# Allegro board BeagleBone_Green_Wireless_V1.0.brd (continued)
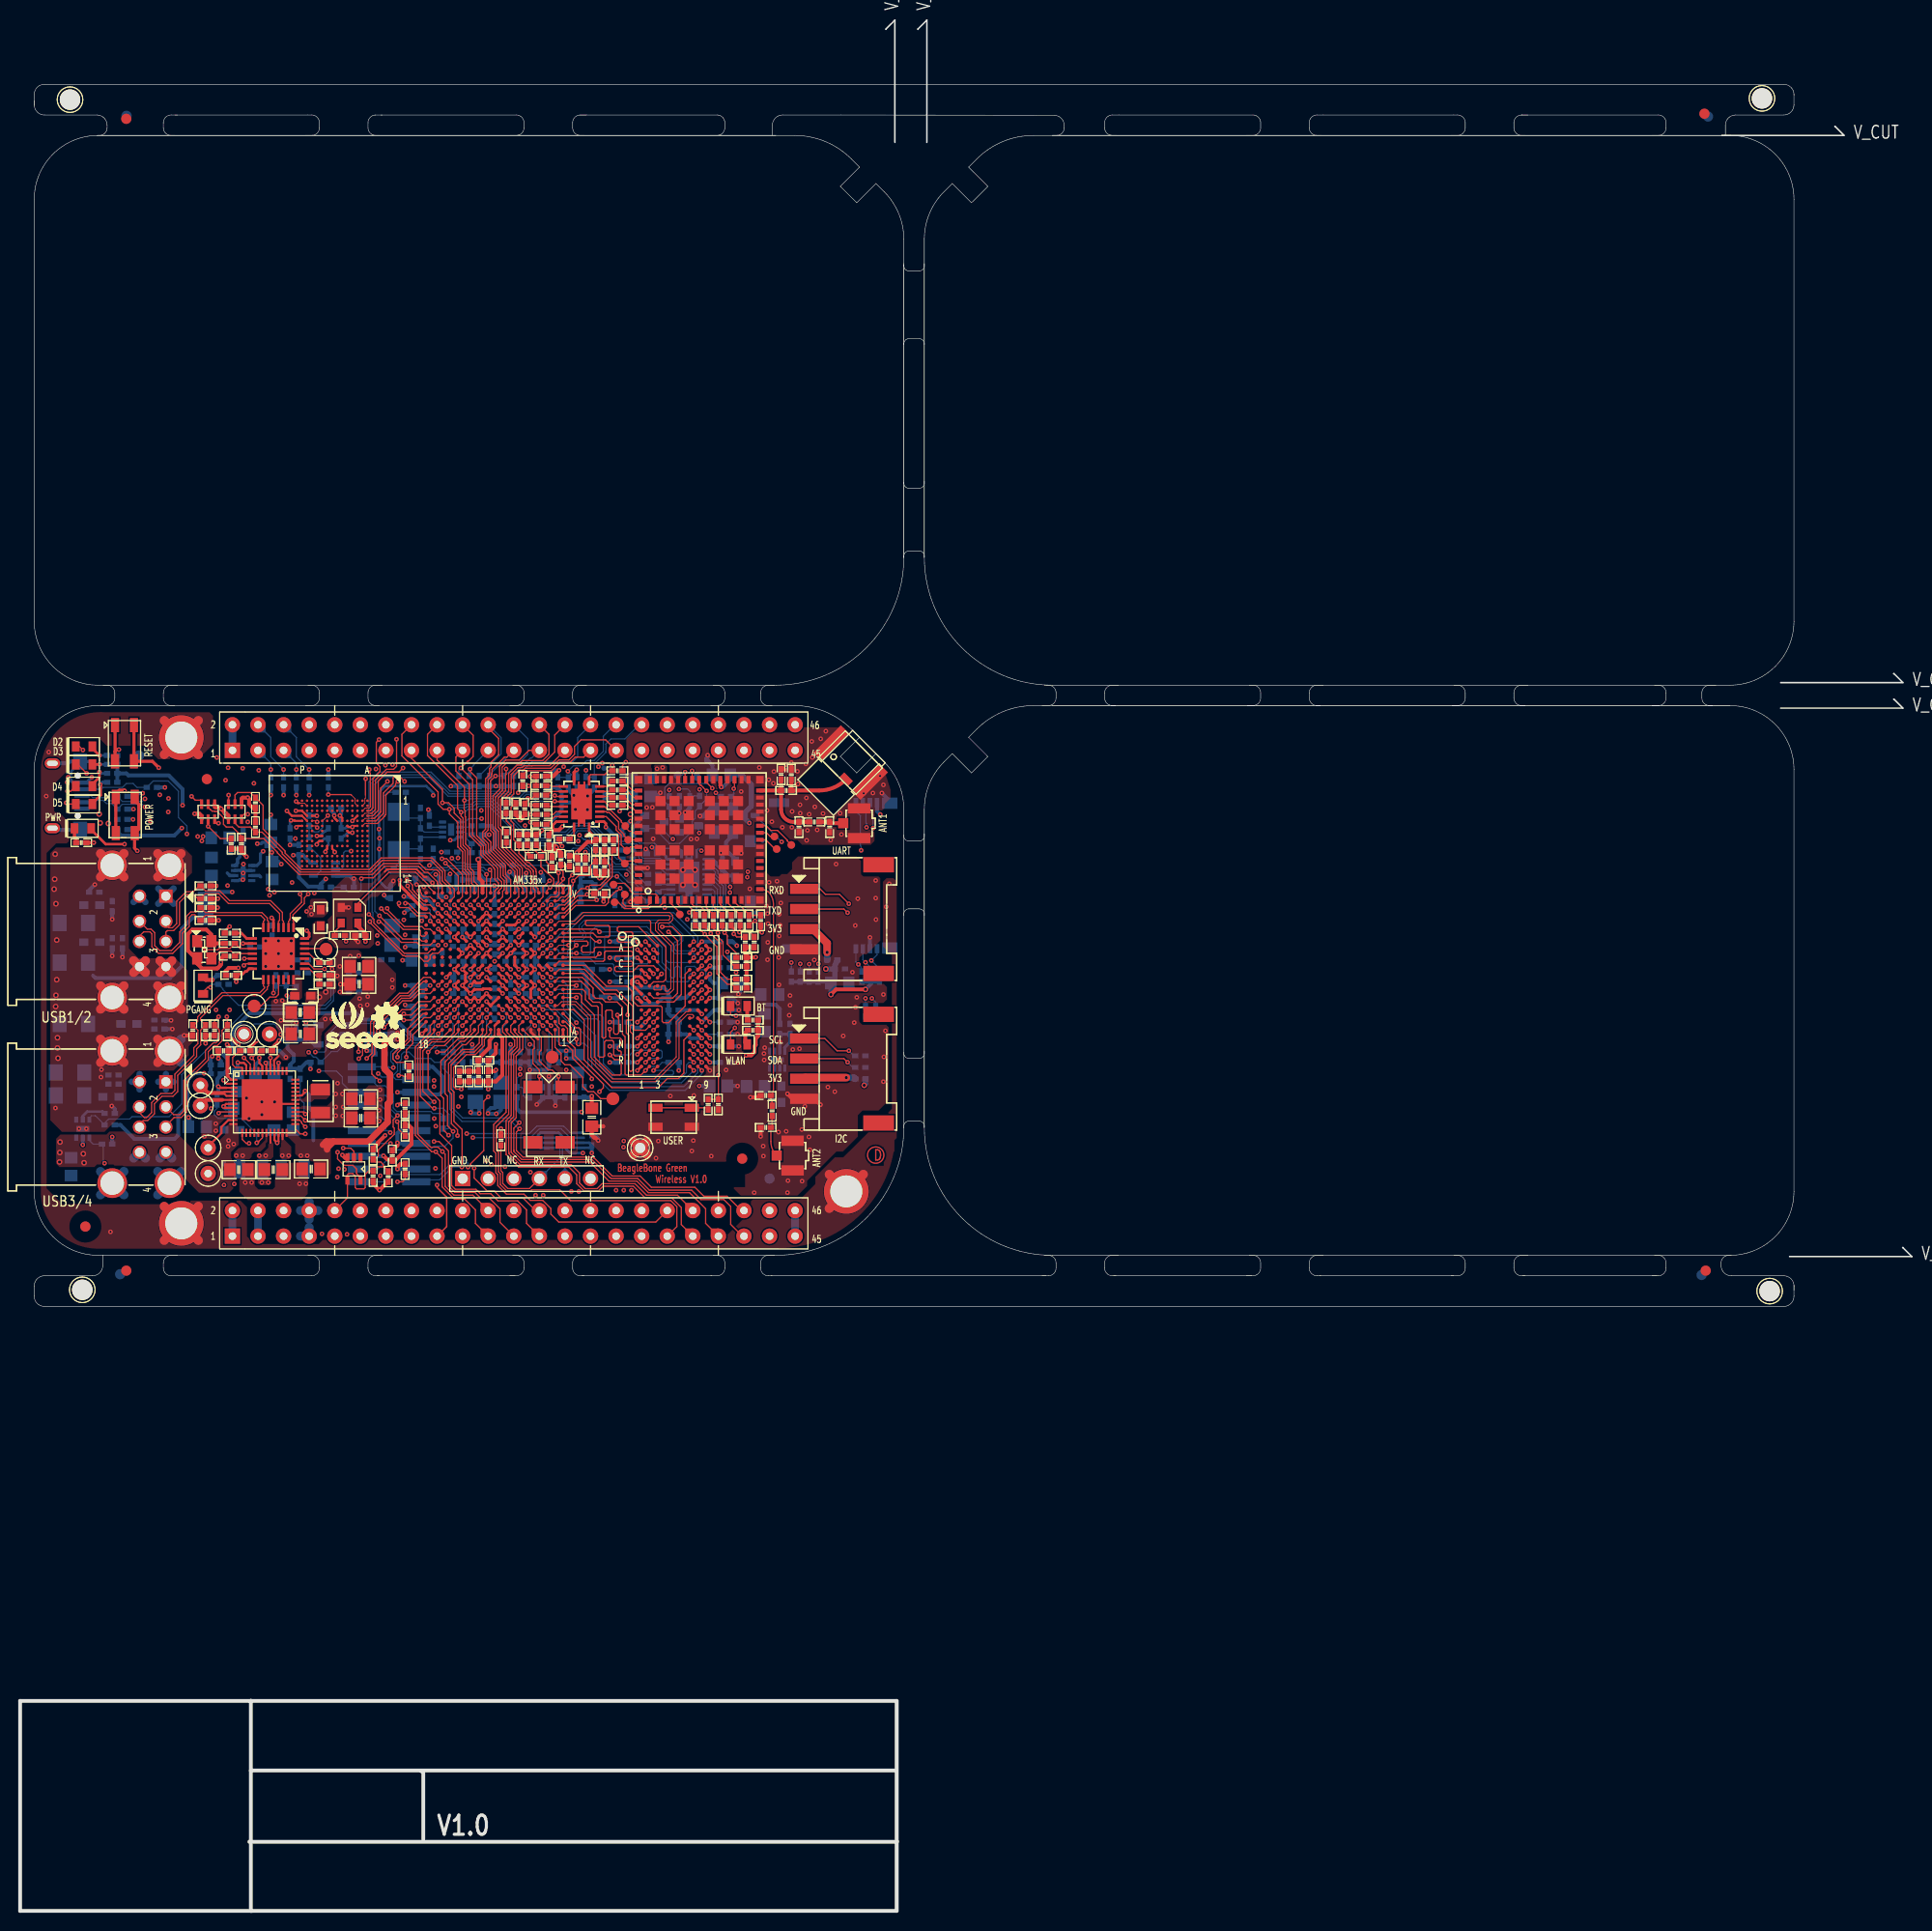
[diagram p0: board, top side]
## Routing (per net, layer and track width the routed paths; a pad name or vN(x,y) marks a point on that pad's centre or on a via; arc(x,y) is an arc through that point) (continued)
B_UART0_TX: length 5.2
  BOTTOM w0.121: U15.3 53.35,76.8 53.85,76.3 53.85,74.02 54.1,73.76 J1.5
BT_AUD_CLK: length 8
  TOP w0.121: U21.1 56.5,107.33 56.89,106.94 59.27,106.94 59.44,106.78 59.44,104.65 TP13.1 60.31,104.3 U18.60
BT_AUD_FSYNC: length 6.2
  TOP w0.121: U21.3 58.2,108.71 59.18,107.72 59.18,107.38 59.68,106.88 59.68,105.9 TP12.1 60.62,105.7 U18.58
BT_AUD_IN: length 5.1
  TOP w0.121: U18.56 60.89,107.1 60.74,107.25 60.49,107.25 60.1,107.65 TP10.1 59.69,108.17 59.69,108.3 58.64,109.35 58.39,109.35 58.04,109.71 U21.5
BT_AUD_OUT: length 5.5
  TOP w0.121: U18.57 TP11.1 59.97,106.8 59.97,106.94 59.44,107.48 59.44,108.18 58.51,109.11 58.29,109.11 58.19,109.21 U21.4
BT_EN: length 11.9
  TOP w0.121: U18.41 67.44,111.94 67.56,111.82 67.63,111.82 67.86,111.58 67.86,111.56 v1(68.17,111.25)
  BOTTOM w0.121: Q3.1 62.98,107.53 64.46,106.05 65.5,106.05 66.73,107.28 66.73,108.23 67.02,108.51 67.02,109.25 67.46,109.69 R188.1 67.46,109.78 67.78,110.1 67.79,110.1 68.17,110.48 v1(68.17,111.25)
BT_HCI_CTS: length 1.3
  TOP w0.121: U21.8 58.65,111.21 R184.1
BT_HCI_RTS: length 1.5
  TOP w0.121: R183.1 58.27,111.71 U21.9
BT_HCI_RX: length 1.4
  TOP w0.121: U21.6 58.04,110.21 58.42,109.83 R186.1
BT_HCI_TX: length 1.3
  TOP w0.121: R185.1 58.69,110.71 U21.7
CAP_VBB_MPU: length 4.2
  TOP w0.121: U5.C10 46.33,88.75 v1(46.32,88.73)
  BOTTOM w0.121: v1(46.32,88.73) 46.32,88.02 46.8,87.54 C91.1
CAP_VDD_SRAM_CORE: length 5.2
  TOP w0.121: U5.D9 v1(47.92,89.54)
  BOTTOM w0.121: C89.1 47.75,87.6 48.32,88.17 48.32,89.13 v1(47.92,89.54)
CAP_VDD_SRAM_MPU: length 5
  TOP w0.121: v1(45.52,89.54) U5.D11
  BOTTOM w0.121: C90.1 45.92,85.39 45.92,89.13 v1(45.52,89.54)
CLKOUT2: length 112.1
  TOP w0.121: v1(49.58,78.31) 49.02,77.75 49.02,75.54 49.03,75.53 49.03,75.44 49.83,74.64 56.78,74.64 58.55,72.87 58.58,72.87 58.7,72.75 61.33,72.75 62.48,71.6 66.68,71.6 67.61,70.66 69.88,70.66 70.56,69.98 70.56,68.2 71.73,67.03 P9.41
  LYR4 w0.127: v1(50.14,107.82) 49.76,107.82 49.58,107.65 42.98,107.65 38.35,103.02 38.35,103.02
  LYR4 w0.133: v1(35.56,83.18) 35.61,83.23 35.61,83.37 35.55,83.44 35.55,86.65 34.99,87.2 34.99,88.28 35.75,89.04 35.75,93.48 37.2,94.93 37.2,99.61 36.83,99.98 36.83,101.73 36.65,101.9 36.65,102.48 37.19,103.02 38.35,103.02
  BOTTOM w0.121: 37.06,82.83 35.91,82.83 v1(35.56,83.18) ; 37.06,82.83 37.07,82.84 37.07,83.03 37.48,83.45 37.48,84.14 37.07,84.56 37.07,85.1 37.68,85.72 41.29,85.72 41.53,85.95 42.29,85.95 42.48,85.76 42.48,84.81 R19.2 R20.1 43.94,83.67 42.99,82.72 42.99,79.72 43.94,78.77 48.97,78.77 49.3,78.44 49.45,78.44 v1(49.58,78.31) ; 37.06,82.83 37.31,82.59 P2.18 ; U22.20 65.67,105.35 65.46,105.56 63.5,105.56 63,106.06 61.49,106.06 61.32,106.24 58.63,106.24 56.82,108.05 56.41,108.05 56.4,108.04 55.03,108.04 54.17,107.17
  BOTTOM w0.127: v1(50.14,107.82) 50.14,107.61 50.86,106.9 52.17,106.9 52.44,107.17 54.17,107.17
CLKOUT_SRC: length 5.1
  TOP w0.121: U5.D14 v1(43.12,89.54)
  BOTTOM w0.121: R19.1 42.99,88.11 42.72,88.39 42.72,89.13 v1(43.12,89.54)
DDR_A0: length 23.9
  TOP w0.121: U5.F3 v1(52.72,91.14) ; v1(62.9,85.89) U12.N3
  LYR3 w0.133: v1(55.24,88.24) 54.74,88.24 54.61,88.11 54.61,86.33 56.26,84.68 56.26,84.43 58.42,82.27 62.99,82.27 63.75,83.03 63.75,85.83 63.37,86.21 63.21,86.21 v1(62.9,85.89)
  BOTTOM w0.121: v1(55.24,88.24) 53.98,89.51 53.98,91.29 53.72,91.54 53.12,91.54 v1(52.72,91.14)
DDR_A1: length 24.1
  TOP w0.121: v1(60.32,89) 60.32,89.89 59.12,91.1 57.98,91.1 55.94,93.14 U5.H1 ; v1(66.9,85.09) U12.P7
  LYR3 w0.121: 61.59,89 61.9,88.69 63.07,88.69
  LYR3 w0.133: 63.07,88.69 63.18,88.69 63.63,88.24 64.01,88.24 65.28,86.97 65.28,85.95 64.9,85.57 64.9,84.02 65.02,83.9 65.79,83.9 65.91,84.02 65.91,84.18 65.79,84.3 65.41,84.3 65.28,84.43 65.28,85.32 65.41,85.45 65.53,85.45 65.66,85.32 65.66,84.81 65.79,84.68 66.04,84.68 66.17,84.81 66.17,85.32 66.29,85.45 66.54,85.45 v1(66.9,85.09) ; v1(60.32,89) 60.33,89 61.59,89
DDR_A2: length 23.9
  TOP w0.121: v1(62.9,85.09) U12.P3 ; U5.E4 v1(51.92,90.34)
  LYR3 w0.121: v1(62.9,85.09) 62.5,85.49 62.5,87.21
  LYR3 w0.133: v1(51.92,90.34) 51.92,90.11 52.52,89.51 55.75,89.51 56.52,90.27 56.52,91.16 55.65,92.02 55.65,92.2 55.9,92.45 56.11,92.45 58.04,90.53 58.04,89.51 58.17,89.38 58.8,89.38 58.9,89.28 58.9,88.85 58.8,88.75 58.17,88.75 58.04,88.62 58.04,87.22 58.17,87.1 60.45,87.1 60.83,87.48 62.23,87.48 62.5,87.21
DDR_A3: length 24
  TOP w0.121: v1(62.1,85.89) U12.N2 ; v1(52.72,88.73) U5.C3
  LYR3 w0.121: 61,86.29 61.7,86.29 v1(62.1,85.89)
  LYR3 w0.133: v1(52.72,88.73) 53.59,88.73 53.72,88.61 53.72,87.48 53.85,87.35 54.1,87.35 54.23,87.48 54.23,88.61 54.36,88.73 56.44,88.73 56.52,88.66 56.52,88.44 56.44,88.37 55.77,88.37 55.69,88.29 55.69,88.06 55.77,87.99 56.44,87.99 56.52,87.91 56.52,87.68 56.44,87.6 55.77,87.6 55.69,87.53 55.69,87.32 55.77,87.25 55.93,87.25 56.01,87.17 56.01,86.79 56.08,86.72 56.31,86.72 56.39,86.79 56.39,87.17 56.46,87.25 56.82,87.25 56.9,87.32 56.9,89.56 56.97,89.64 57.2,89.64 57.28,89.56 57.28,86.46 57.4,86.33 60.96,86.33 61,86.29
DDR_A4: length 23.9
  TOP w0.121: U5.C2 53.51,88.74 53.51,88.18 53.75,87.94 54.08,87.94 54.36,87.66 54.36,86.46 55.12,85.7 55.12,84.94 57.91,82.14 57.91,81.76 v1(57.53,81.38) ; v1(67.7,85.09) U12.P8
  LYR3 w0.121: 66.68,84.69 67.3,84.69 v1(67.7,85.09)
  LYR3 w0.133: v1(57.53,81.38) 57.78,81.13 63.75,81.13 64.52,81.89 66.17,81.89 66.42,82.14 66.42,84.43 66.68,84.69
DDR_A5: length 23.9
  TOP w0.121: U5.B1 54.13,88.34 54.74,87.73 54.74,87.35 54.86,87.22 v1(55.24,87.22) ; v1(62.1,85.09) U12.P2
  LYR3 w0.121: 62.48,83.29 62.5,83.3 62.5,84.69 v1(62.1,85.09)
  LYR3 w0.133: v1(55.24,87.22) 55.69,86.78 55.69,86.33 55.94,86.08 56.57,86.08 56.64,86.16 56.64,86.77 56.72,86.84 56.95,86.84 57.02,86.77 57.02,84.81 57.15,84.68 57.4,84.68 57.53,84.81 57.53,85.83 57.66,85.95 57.91,85.95 58.04,85.83 58.04,83.67 58.29,83.41 58.93,83.41 59.05,83.54 59.05,85.83 59.18,85.95 60.58,85.95 60.71,85.83 60.71,83.16 60.83,83.03 62.23,83.03 62.48,83.29
DDR_A6: length 24.1
  TOP w0.121: v1(67.7,84.29) U12.R8 ; v1(51.12,89.54) U5.D5
  BOTTOM w0.121: v1(67.7,84.29) 67.3,83.89 67.3,83.27 65.91,81.89 58.67,81.89 56.77,83.79 56.77,86.33 55.37,87.73 54.99,87.73 52.79,89.93 51.52,89.93 v1(51.12,89.54)
DDR_A7: length 24.1
  TOP w0.121: v1(62.1,84.29) U12.R2 ; v1(58.55,85.04) 59.03,84.56 59.56,84.56 59.69,84.43 59.69,83.16 59.56,83.03 58.8,83.03 57.02,84.81 57.02,89 55.75,90.27 55.75,90.91 55.52,91.14 53.52,91.14 U5.E2
  BOTTOM w0.121: v1(58.55,85.04) 60.55,85.04 61,85.49 63.63,85.49 63.75,85.36 63.75,84.82 63.63,84.69 U12.R2 v1(62.1,84.29)
DDR_A8: length 23.9
  TOP w0.121: v1(67.7,83.49) U12.T8 ; v1(51.92,89.54) U5.D4
  BOTTOM w0.121: v1(67.7,83.49) 67.7,83.17 66.04,81.51 58.55,81.51 56.39,83.67 56.39,85.81 56.01,86.19 53.59,86.19 53.34,86.44 53.34,88.87 52.68,89.54 v1(51.92,89.54)
DDR_A9: length 24
  TOP w0.121: v1(55.24,86.59) 55.24,86.07 55.36,85.95 55.53,85.95 55.64,86.07 55.64,87.59 55.5,87.73 55.19,87.73 54.48,88.44 54.48,88.57 U5.C1 ; v1(62.9,84.29) U12.R3
  LYR3 w0.133: v1(55.24,86.59) 55.24,86.21 55.75,85.7 56.39,85.7 56.64,85.45 56.64,84.56 58.55,82.65 59.44,82.65 59.56,82.78 59.56,85.45 59.69,85.57 60.07,85.57 60.2,85.45 60.2,82.78 60.32,82.65 62.87,82.65 63.37,83.16 63.37,84.56 63.25,84.68 63.02,84.68 62.9,84.56 v1(62.9,84.29)
DDR_A10: length 24
  TOP w0.121: v1(66.9,87.49) U12.L7 ; U5.F4 v1(51.92,91.14)
  LYR3 w0.121: v1(51.92,91.14) 52.32,91.54 53.08,91.54
  LYR3 w0.133: v1(66.9,87.49) 67.18,87.78 67.18,87.99 67.06,88.11 66.17,88.11 66.04,88.24 66.04,88.49 66.17,88.62 67.06,88.62 67.18,88.75 67.18,89 67.06,89.13 65.79,89.13 63.75,91.16 60.71,91.16 59.12,92.75 58.23,92.75 57.14,93.83 53.98,93.83 53.59,93.45 53.59,92.05 53.08,91.54
DDR_A11: length 23.9
  TOP w0.121: v1(66.9,84.29) U12.R7 ; v1(55.24,91.94) 53.52,91.94 U5.F2
  BOTTOM w0.121: v1(55.24,91.94) 54.74,91.43 54.74,89.89 56.01,88.62 57.28,88.62 57.53,88.37 57.53,84.05 58.93,82.65 65.53,82.65 66.17,83.29 66.17,84.04 66.42,84.29 v1(66.9,84.29)
DDR_A12: length 24.1
  TOP w0.121: v1(66.9,85.89) U12.N7 ; v1(52.72,90.34) U5.E3
  LYR3 w0.133: v1(52.72,90.34) 52.78,90.27 55.5,90.27 55.75,90.53 55.75,90.91 55.5,91.16 54.61,91.16 54.36,91.41 54.36,92.81 54.61,93.07 56.52,93.07 58.04,91.54 59.31,91.54 60.95,89.9 62.62,89.9 62.87,90.14 63.63,90.14 65.28,88.49 65.28,87.51 v1(66.9,85.89)
DDR_A13: length 24
  TOP w0.121: U5.H3 v1(52.72,92.74) ; v1(62.9,83.49) U12.T3
  BOTTOM w0.121: v1(62.9,83.49) 64.77,83.49 64.9,83.36 64.9,83.16 64.77,83.03 59.05,83.03 57.91,84.18 57.91,88.75 57.66,89 56.13,89 55.75,89.38 55.75,92.3 55.32,92.74 v1(52.72,92.74)
DDR_A14: length 24
  TOP w0.121: v1(66.9,83.49) U12.T7 ; v1(51.92,92.74) U5.H4
  BOTTOM w0.121: v1(51.92,92.74) 51.92,92.71 52.29,92.34 53.94,92.34 54.36,91.92 54.36,89.76 57.15,86.97 57.15,83.92 58.8,82.27 65.68,82.27 v1(66.9,83.49)
DDR_A15: length 24
  TOP w0.121: U5.D3 52.72,89.53 54.97,89.53 56.01,88.49 56.01,84.53 58.75,81.79 63.37,81.79 64.27,82.69 65.37,82.69 65.91,83.24 65.91,86.51 U12.M7
DDR_BA0: length 24.1
  TOP w0.121: U5.C4 v1(51.92,88.73) ; v1(62.1,86.69) U12.M2
  LYR3 w0.121: v1(51.92,88.73) 51.64,88.73 51.52,88.61 51.52,87.6 ; 52.32,88.87 52.32,87.6
  LYR3 w0.133: v1(62.1,86.69) 62.1,86.97 61.97,87.1 60.96,87.1 60.58,86.72 58.04,86.72 57.66,87.1 57.66,90.4 57.18,90.88 56.99,90.88 56.9,90.78 56.9,90.14 55.89,89.14 52.44,89.14 52.32,89.01 52.32,88.87 ; 52.32,87.6 52.44,87.48 52.83,87.48 52.96,87.35 52.96,86.59 52.83,86.46 52.58,86.46 52.45,86.59 52.45,86.97 52.32,87.1 52.07,87.1 51.94,86.97 51.94,86.59 51.82,86.46 51.64,86.46 51.52,86.59 51.52,87.6
DDR_BA1: length 24.1
  TOP w0.121: v1(67.7,85.89) U12.N8 ; U5.E1 v1(55.24,90.74)
  LYR3 w0.133: v1(67.7,85.89) 67.22,86.37 67.22,86.78 67.06,86.94 66.45,86.94 65.63,87.76 65.63,88.65 63.5,90.78 62.74,90.78 62.61,90.65 62.61,90.4 62.48,90.27 61.09,90.27 59.47,91.88 58.33,91.88 56.77,93.45 54.23,93.45 53.98,93.19 53.98,91.67 53.72,91.41 53.72,91.03 54.02,90.74 v1(55.24,90.74)
DDR_BA2: length 24.1
  TOP w0.121: v1(62.9,86.69) U12.M3 ; v1(52.72,87.93) U5.B3
  LYR3 w0.133: v1(52.72,87.93) 53.02,88.24 53.21,88.24 53.34,88.11 53.34,85.95 53.47,85.83 53.66,85.83 53.78,85.95 53.78,86.21 53.91,86.33 54.1,86.33 55.88,84.56 55.88,84.3 58.29,81.89 63.37,81.89 64.14,82.65 64.14,85.95 63.88,86.21 63.88,86.46 64.14,86.72 64.14,87.1 63.88,87.35 63.63,87.35 63.5,87.22 63.5,86.82 63.37,86.69 v1(62.9,86.69)
DDR_CASN: length 24
  TOP w0.121: v1(62.9,88.29) U12.K3 ; U5.F1 55.88,91.54 56.13,91.28 56.13,90.53 56.77,89.89 57.28,89.89 57.4,89.76 57.4,84.94 57.53,84.81 57.91,84.81 58.04,84.94 58.04,86.33 58.17,86.46 58.82,86.46 58.95,86.33 58.95,85.06 59.07,84.94 59.56,84.94 59.69,85.06 59.69,85.32 59.56,85.45 59.44,85.45 59.31,85.57 59.31,85.83 59.44,85.95 59.56,85.95 59.69,86.08 59.69,86.59 59.56,86.72 58.67,86.72 58.55,86.84 v1(58.55,87.6)
  LYR3 w0.133: v1(62.9,88.29) 62.46,87.86 60.71,87.86 60.45,87.6 v1(58.55,87.6)
DDR_CKE: length 25.1
  TOP w0.121: U5.G3 v1(52.72,91.94) ; v1(68.5,88.29) U12.K9
  LYR3 w0.133: v1(68.5,88.29) 68.71,88.5 68.71,89.38 68.58,89.51 66.04,89.51 64.01,91.54 60.83,91.54 59.31,93.07 58.42,93.07 57.28,94.21 54.61,94.21 54.23,94.59 52.58,94.59 52.45,94.46 52.45,94.21 52.58,94.08 53.09,94.08 53.21,93.95 53.21,92.43 v1(52.72,91.94)
  BOTTOM w0.121: R96.2 v1(68.5,88.29)
DDR_CLK: length 24
  TOP w0.095: U5.D2 53.37,89.94 53.76,90.32 55.19,90.32 56.67,88.85 56.67,84.8 58.82,82.65 62.98,82.65 65.15,84.82 65.15,88.34 66.14,89.33 66.33,89.33 U12.J7
DDR_CLKN: length 24
  TOP w0.095: U12.K7 66.77,88.69 66.87,88.79 66.87,88.94 66.77,89.05 66.25,89.05 65.43,88.23 65.43,84.71 63.09,82.37 58.7,82.37 56.39,84.68 56.39,88.73 55.08,90.04 54.02,90.04 U5.D1
DDR_CSN: length 23.9
  TOP w0.121: U12.L2 62.09,87.49 61.04,87.49 60.96,87.56 60.96,87.91 60.88,87.99 60.66,87.99 60.58,87.91 60.58,87.35 60.83,87.1 60.83,83.54 60.71,83.41 60.57,83.41 60.45,83.54 60.45,86.97 60.2,87.22 60.2,88.42 60.27,88.49 60.76,88.49 60.83,88.57 60.83,89.89 59.25,91.48 58.1,91.48 56.04,93.54 53.52,93.54 U5.H2
DDR_D0: length 23.3
  TOP w0.121: v1(52.72,96.74) U5.M3 ; v1(63.7,93.09) U12.E3
  LYR3 w0.133: v1(63.7,93.09) 63.7,94.84 63.82,94.97 64.26,94.97 64.39,94.84 64.39,92.56 64.52,92.43 65.02,92.43 65.15,92.56 65.15,94.72 61.85,98.02 54.36,98.02 53.07,96.74 v1(52.72,96.74)
DDR_D1: length 23.3
  TOP w0.121: v1(51.92,96.74) U5.M4 ; v1(66.9,92.29) U12.F7
  LYR3 w0.121: 54.17,95.54 52.55,95.54 52.32,95.77 52.32,96.34 v1(51.92,96.74) ; v1(66.9,92.29) 67.3,91.89 67.86,91.89 68.1,91.66 68.1,90.87 68.1,90.52 67.87,90.28
  LYR3 w0.133: 54.17,95.54 55.12,94.59 57.66,94.59 58.17,94.08 58.8,94.08 61,91.88 64.3,91.88 66.29,89.9 67.48,89.9 67.87,90.28
DDR_D2: length 23.3
  TOP w0.121: U5.N1 56.89,97.14 57.28,96.75 58.42,96.75 58.55,96.88 58.55,97.76 58.42,97.89 56.26,97.89 56.13,98.02 56.13,98.27 56.26,98.4 62.48,98.4 62.61,98.27 62.61,97.26 64.13,95.74 64.13,92.56 63.86,92.29 63.38,92.29 63.37,92.29 62.9,92.29 U12.F2
DDR_D3: length 23.3
  TOP w0.121: U5.N2 53.52,97.54 57.25,97.54 v1(57.53,97.26) ; v1(67.7,92.29) U12.F8
  BOTTOM w0.121: v1(57.53,97.26) 62.23,97.26 63.75,95.73 63.75,94.21 64.58,93.38 64.58,92.81 64.71,92.68 64.9,92.68 65.02,92.81 65.02,93.7 65.15,93.83 65.41,93.83 65.53,93.7 65.53,92.81 65.66,92.68 65.91,92.68 66.04,92.81 66.04,93.7 66.17,93.83 66.97,93.83 67.31,93.49 67.9,93.49 68.1,93.29 68.1,92.69 v1(67.7,92.29)
DDR_D4: length 23.3
  TOP w0.121: v1(63.75,97.76) 64.77,97.76 65.66,96.88 65.66,91.03 64.92,90.29 U12.H3 ; U5.N3 v1(52.72,97.54)
  LYR3 w0.133: v1(52.72,97.54) 52.73,97.54 53.98,98.78 62.74,98.78 v1(63.75,97.76)
DDR_D5: length 23.3
  TOP w0.121: v1(67.7,90.69) U12.H8 ; U5.N4 v1(51.92,97.54)
  LYR3 w0.121: v1(51.92,97.54) 52.32,97.14 52.97,97.14
  LYR3 w0.133: v1(67.7,90.69) 67.28,90.27 66.55,90.27 65.66,91.16 65.66,94.84 62.1,98.4 54.23,98.4 52.97,97.14
DDR_D6: length 23.3
  TOP w0.121: U5.P3 v1(52.72,98.34) ; U12.G2 62.9,90.69 64.81,90.69 65.28,91.16 65.28,96.37 v1(64.39,97.26)
  LYR3 w0.133: v1(52.72,98.34) 53.02,98.34 53.85,99.16 62.99,99.16 64.39,97.76 v1(64.39,97.26)
DDR_D7: length 23.3
  TOP w0.121: v1(66.9,90.69) U12.H7 ; U5.P4 v1(51.92,98.34)
  LYR3 w0.121: v1(51.92,98.34) 52.32,98.74 53.02,98.74
  LYR3 w0.133: v1(66.9,90.69) 66.17,91.42 66.17,96.62 63.27,99.52 53.8,99.52 53.02,98.74
DDR_D8: length 20.3
  TOP w0.121: U5.J1 56.15,93.94 58.23,91.86 60.26,91.86 60.77,91.35 60.77,90.46 61.34,89.89 63.63,89.89 63.75,89.76 63.75,88.37 63.88,88.24 64.39,88.24 66.04,89.89 66.04,93.03 U12.D7
DDR_D9: length 20.3
  TOP w0.121: v1(62.9,94.69) U12.C3 ; U5.K1 57.17,94.74 v1(57.53,95.1)
  LYR3 w0.133: v1(57.53,95.1) 57.91,95.1 58.04,95.22 58.04,97.13 58.17,97.26 58.93,97.26 59.05,97.13 59.05,94.97 59.18,94.84 59.69,94.84 59.82,94.97 59.82,97.13 59.94,97.26 60.45,97.26 60.58,97.13 60.58,93.95 60.71,93.83 62.77,93.83 62.9,93.95 v1(62.9,94.69)
DDR_D10: length 20.3
  TOP w0.121: U5.K2 53.52,95.14 v1(55.24,95.14) ; v1(67.7,94.69) U12.C8
  BOTTOM w0.121: v1(67.7,94.69) 67.21,94.21 64.39,94.21 64.14,94.46 64.14,95.86 62.23,97.76 57.15,97.76 56.64,97.26 56.64,95.1 56.52,94.97 55.88,94.97 55.72,95.14 v1(55.24,95.14)
DDR_D11: length 20.1
  TOP w0.121: v1(62.1,94.69) U12.C2 ; v1(52.72,95.14) U5.K3
  BOTTOM w0.121: v1(62.1,94.69) 62.39,94.39 62.39,94.2 62.27,94.08 59.56,94.08 59.44,93.95 59.44,93.7 59.56,93.57 61.52,93.57 61.64,93.45 61.64,93.06 61.47,92.89 59.21,92.89 58.95,93.14 58.95,93.96 58.83,94.08 57.15,94.08 56.64,94.59 54.99,94.59 54.81,94.77 54.81,95.34 54.69,95.46 54.46,95.46 54.36,95.35 54.36,94.72 54.23,94.59 52.62,94.59 52.5,94.71 52.5,94.92 v1(52.72,95.14)
DDR_D12: length 20.2
  TOP w0.121: U5.K4 v1(51.92,95.14) ; v1(66.9,96.29) U12.A7
  BOTTOM w0.121: v1(66.9,96.29) 66.9,96.65 64.71,98.84 55.94,98.84 53.98,96.88 53.98,95.29 53.85,95.16 53.59,95.16 53.47,95.29 53.47,95.41 53.34,95.54 52.32,95.54 v1(51.92,95.14)
DDR_D13: length 20.2
  TOP w0.121: v1(62.1,96.29) U12.A2 ; v1(52.72,95.94) U5.L3
  LYR3 w0.133: v1(52.72,95.94) 53.04,95.94 53.47,96.37 55.63,96.37 55.75,96.24 55.75,95.22 55.88,95.1 56.9,95.1 57.02,95.22 57.02,96.88 56.9,97 54.61,97 54.48,97.13 54.48,97.54 54.61,97.66 61.57,97.66 62.1,97.13 62.1,96.3 v1(62.1,96.29)
DDR_D14: length 20.3
  TOP w0.121: U5.L4 v1(51.92,95.94) ; v1(67.7,95.49) U12.B8
  BOTTOM w0.121: v1(51.92,95.94) 52.32,96.34 52.93,96.34 55.75,99.16 64.9,99.16 67.3,96.76 67.3,95.89 v1(67.7,95.49)
DDR_D15: length 20.1
  TOP w0.121: U5.M1 54.74,96.34 56.26,96.34 56.39,96.21 56.39,95.99 56.26,95.86 55.88,95.86 55.75,95.73 55.75,95.35 55.88,95.22 56.9,95.22 57.02,95.35 57.02,95.61 57.15,95.73 60.71,95.73 60.83,95.86 60.83,96.11 60.71,96.24 59.44,96.24 59.31,96.37 59.31,96.62 59.44,96.75 60.71,96.75 60.83,96.88 60.83,97.13 60.71,97.26 59.44,97.26 59.31,97.38 59.31,97.64 59.44,97.76 61.42,97.76 U12.A3
DDR_DQM0: length 23.3
  TOP w0.121: v1(57.53,96.29) 57.1,96.29 56.65,96.74 53.52,96.74 U5.M2 ; v1(66.9,93.09) U12.E7
  BOTTOM w0.121: v1(66.9,93.09) 66.55,93.09 66.42,92.96 66.42,92.43 66.29,92.3 64.26,92.3 64.14,92.43 64.14,93.32 63.37,94.08 63.37,95.61 62.1,96.88 58.17,96.88 58.04,96.75 58.04,94.72 57.91,94.59 57.15,94.59 57.02,94.72 57.02,96.16 57.15,96.29 v1(57.53,96.29)
DDR_DQM1: length 20.2
  TOP w0.121: U12.D3 62.9,93.89 61.4,93.89 60.83,93.32 59.18,93.32 59.05,93.45 59.05,93.7 59.18,93.83 60.71,93.83 60.83,93.95 60.83,94.21 60.71,94.34 59.18,94.34 59.05,94.46 59.05,94.72 59.18,94.84 60.71,94.84 60.83,94.97 60.83,95.22 60.71,95.35 58.17,95.35 58.04,95.22 58.04,94.46 57.91,94.34 53.52,94.34 U5.J2
DDR_DQS0: length 23.3
  TOP w0.095: U12.F3 63.02,91.89 62.94,91.81 62.94,91.57 63.02,91.49 63.61,91.49 63.69,91.57 63.69,91.85 63.77,91.93 64,91.93 64.07,91.85 64.07,91.45 64.15,91.37 64.33,91.37 64.62,91.66 64.62,95.87 63.09,97.4 63.09,98.11 63.4,98.43 64.39,98.43 64.52,98.56 64.52,98.78 64.39,98.91 56.02,98.91 55.15,98.04 54.02,98.04 U5.P1
DDR_DQS1: length 20.3
  TOP w0.095: v1(55.24,95.94) 54.84,95.54 U5.L1
  TOP w0.121: v1(66.9,94.69) U12.C7
  BOTTOM w0.095: v1(55.24,95.94) 55.02,96.16 55.02,96.37 55.14,96.49 55.87,96.49 56.16,96.79 56.16,97.17 55.78,97.55 55.78,97.78 56.15,98.15 64.26,98.15 65.53,96.88 65.53,96.49 65.3,96.27 65.04,96.27 64.74,95.98 64.74,95.39 65.04,95.1 66.94,95.1 67.01,95.02 67.01,94.77 66.94,94.69 v1(66.9,94.69)
DDR_DQSN0: length 23.3
  TOP w0.095: U5.P2 53.5,98.32 55.04,98.32 55.91,99.19 64.5,99.19 64.8,98.9 64.8,98.44 64.5,98.15 63.52,98.15 63.37,98 63.37,97.52 64.9,95.99 64.9,91.54 64.45,91.09 U12.G3
DDR_DQSN1: length 20.3
  TOP w0.095: U5.L2 53.52,95.94 v1(54.48,95.94)
  TOP w0.121: v1(66.9,95.49) U12.B7
  BOTTOM w0.095: v1(54.48,95.94) 54.74,96.19 54.74,96.48 55.03,96.77 55.75,96.77 55.88,96.9 55.88,97.05 55.5,97.43 55.5,97.89 56.04,98.43 64.37,98.43 65.81,96.99 65.81,96.38 65.42,95.99 65.15,95.99 65.02,95.86 65.02,95.5 65.15,95.38 66.78,95.38 v1(66.9,95.49)
DDR_ODT: length 24.1
  TOP w0.121: U5.G1 55.08,92.34 55.72,92.34 56.52,91.54 56.52,90.65 56.9,90.27 57.53,90.27 57.78,90.02 57.78,86.82 57.89,86.72 58.04,86.72 58.15,86.82 58.15,89.38 58.26,89.49 58.69,89.49 58.8,89.38 58.8,88.75 58.95,88.6 58.95,87.22 59.07,87.1 59.31,87.1 59.44,87.22 59.44,88.87 v1(59.31,89) ; v1(61.3,88.29) U12.K1
  LYR3 w0.133: v1(61.3,88.29) 60.63,88.29 60.32,87.99 59.44,87.99 59.31,88.11 59.31,88.37 59.44,88.49 59.69,88.49 59.82,88.62 59.82,90.02 59.56,90.27 59.18,90.27 59.05,90.14 59.05,89.76 59.31,89.51 v1(59.31,89)
DDR_RASN: length 24
  TOP w0.121: v1(62.9,89.09) U12.J3 ; U5.G4 v1(51.92,91.94)
  LYR3 w0.121: 52.73,89.89 52.57,89.89 52.32,90.14 52.32,90.53 52.11,90.74 51.73,90.74 51.52,90.95 51.52,91.54 v1(51.92,91.94)
  LYR3 w0.133: 52.73,89.89 55.63,89.89 56.13,90.4 56.13,91.03 55.64,91.53 54.86,91.53 54.74,91.66 54.74,92.56 54.86,92.68 56.39,92.68 57.89,91.18 59.16,91.18 60.82,89.52 62.75,89.52 62.99,89.76 63.5,89.76 64.24,89.03 64.24,88.85 64.09,88.7 63.91,88.7 63.52,89.09 v1(62.9,89.09)
DDR_RESETN: length 20.7
  TOP w0.121: U12.T2 v1(62.1,83.49) 61.64,83.03 60.2,83.03 60.07,83.16 60.07,86.84 59.82,87.1 59.82,89.76 59.29,90.29 58.15,90.29 57.78,90.65 57.15,90.65 56.9,90.91 56.9,91.67 55.83,92.74 53.52,92.74 U5.G2
  BOTTOM w0.121: R97.2 63.75,84.29 63.35,83.89 U12.T2 v1(62.1,83.49)
DDR_VREF: length 27.1
  TOP w0.305: v1(61.3,90.69) U12.H1 ; v1(67.7,86.69) U12.M8 ; v1(51.92,93.54) U5.J4
  BOTTOM w0.381: R98.2 63.79,90.69 63.22,90.12 61.87,90.12 v1(61.3,90.69) ; R98.2 64.39,91.24 63.91,91.72 61.74,91.72 61.73,91.73 60.87,91.73 60.76,91.62 57.71,91.62 56.77,92.56 C28.1 56.43,93.54 55.88,94.08 52.46,94.08 v1(51.92,93.54) ; R98.2 C123.1 64.39,89.13 64.62,88.89 64.85,88.89 64.86,88.89 65.02,88.89 65.41,88.51 R100.1 C124.1 66.17,87.09 66.57,86.69 v1(67.7,86.69)
DDR_VTP: length 6.7
  TOP w0.305: v1(52.72,93.54) U5.J3
  BOTTOM w0.381: v1(52.72,93.54) 55.54,93.54 56.26,92.81 56.26,91.29 R22.2
DDR_WEN: length 23.9
  TOP w0.121: U5.B2 53.12,88.1 53.51,87.7 53.51,86.08 53.64,85.95 54.36,85.95 54.86,85.45 54.86,84.71 56.77,82.8 v1(56.77,82.65) ; v1(62.9,87.49) U12.L3
  LYR3 w0.133: v1(56.77,82.65) 56.78,82.65 57.03,82.65 58.17,81.51 63.63,81.51 64.52,82.4 64.52,85.7 64.9,86.08 64.9,86.84 63.88,87.86 63.27,87.86 v1(62.9,87.49)
EHRPWM1A: length 44.2
  TOP w0.121: U5.U14 43.92,100.74 43.92,102.96 42.36,104.52 v1(41.88,104.52)
  LYR4 w0.133: P9.14 38.26,71.51 38.26,83.92 37.77,84.4 37.3,84.4 37.06,84.64 37.06,84.98 37.07,84.99 37.07,87.39 37.26,87.58 37.26,87.86 37.22,87.89 37.22,90.37 38.17,91.31 38.18,91.31 39.19,92.33 39.19,93.39 39.49,93.69 39.49,97.8 39.24,98.05 39.24,98.65 39.7,99.12 39.7,99.62 41.29,101.21 41.29,101.34 41.38,101.42 41.38,102.5 41.68,102.8 41.68,104.31 v1(41.88,104.52)
EHRPWM1B: length 38.8
  TOP w0.121: v1(43.12,99.94) U5.T14
  LYR4 w0.133: v1(43.12,99.94) 43.12,100.49 42.48,101.12 42.04,101.12 40.31,99.39 40.31,92.25 38.61,90.55 38.07,90.55 37.69,90.17 37.69,88.24 38.23,87.71 38.23,86.31 38.83,85.71 38.83,79.28 41.58,76.53 41.58,76.33 39.6,74.35 39.6,70.38 38.86,69.65 P9.16
EHRPWM2A: length 17.3
  TOP w0.121: P8.19 43.27,114.62 43.27,113.24 44.6,111.91 44.6,106.86 45.75,105.71 45.75,104.92 47.05,103.62 47.05,103.57 47.14,103.48 47.14,102.46 47.49,102.11 47.49,101.66 47.36,101.53 47.35,101.53 47.12,101.3 47.12,100.74 U5.U10
EHRPWM2B: length 26.3
  TOP w0.121: v1(46.32,99.94) U5.T10
  LYR3 w0.133: v1(46.32,99.94) 45.78,100.48 45.78,100.83 44.77,101.84 44.77,102.06 44.75,102.08 44.75,105.69 44.1,106.35 44.1,107.67 43.03,108.74 43.03,109.91 41.64,111.3 37.05,111.3 37.04,111.3 34.82,111.3 33.91,112.22 33.91,113.31 35.21,114.61 35.65,114.61 P8.13
EMMC_RSTN: length 5.2
  TOP w0.076: v1(30.56,108.81) 30.03,108.29 U13.K5
  BOTTOM w0.121: v1(30.56,108.81) 30.05,108.31 30.05,107.62 29.89,107.46 29.89,107.45 29.66,107.22 29.65,107.22 29.61,107.19 29.19,107.19 28.96,107.42 28.96,107.54 R111.2 R162.2
EMMC_VCCI: length 4.4
  TOP w0.076: 32.9,110.85 33.27,110.47 33.24,110.45 33.24,110.03 U13.C2
  TOP w0.121: 32.9,110.85 32.85,110.9 v1(30.61,110.9)
  BOTTOM w0.121: C125.1 v1(30.61,110.9)
ENZ_KALDO_1P8V: length 3.4
  TOP w0.121: U5.B4 v1(51.92,87.93)
  BOTTOM w0.121: R54.2 52.51,87.34 v1(51.92,87.93)
GPIO0_7: length 48
  TOP w0.121: v1(49.61,77.7) 49.28,77.37 49.28,75.54 49.93,74.89 56.88,74.89 56.99,74.78 57.02,74.78 58.8,73 61.57,73 62.69,71.88 67.01,71.88 67.89,70.99 70.21,70.99 71.63,69.57 P9.42 ; R50.1 38.05,82.91 37.97,82.99 v1(37.59,82.99)
  BOTTOM w0.121: v1(49.61,77.7) 49.5,77.7 48.77,78.44 43.87,78.44 42.67,79.63 42.67,83.03 42.04,83.67 R51.1 41.15,84.3 40.77,84.68 39.24,84.68 38.61,85.32 38.1,85.32 37.86,85.08 37.86,84.58 37.73,84.44 37.73,83.26 37.59,83.12 v1(37.59,82.99)
GPIO0_7SRC: length 7.9
  TOP w0.121: R50.2 38.23,84.3 37.34,84.3 37.01,84.63 37.01,85.12 38.48,86.59 38.48,87.6 40.01,89.14 U5.C18
GPIO0_26: length 57.3
  TOP w0.121: v1(45.52,99.94) U5.T11
  LYR3 w0.133: v1(45.52,99.94) 45.52,100.61 44.51,101.62 44.51,102.06 44.5,102.07 44.5,105.54 43.81,106.23 43.81,107.43 40.34,110.9 34.9,110.9 33.67,112.12 33.67,113.53 35.05,114.91 35.05,116.56 P8.14
  LYR4 w0.121: v1(64.47,111.35) 64.06,111.76 58.67,111.76 57.25,110.34 57.25,106.96 56.57,106.27 v1(55.42,106.27)
  LYR4 w0.133: v1(55.42,106.27) 55.15,106 55.15,105.6 53.65,104.09 46.66,104.09 45.52,102.94 v1(45.52,99.94)
  BOTTOM w0.121: R189.1 R187.2 v1(64.47,111.35)
GPIO0_27: length 54.9
  TOP w0.121: P8.17 41.4,114.34 44.12,111.62 v1(44.12,110.31) 44.09,110.29 44.09,109.4 44.19,109.31 44.19,108.72 44.23,108.67 44.23,105.98 44.63,105.59 44.63,105.58 44.68,105.53 44.68,103.6 45.06,103.22 45.06,102.29 45.51,101.84 45.51,100.73 U5.U12
  LYR3 w0.133: v1(53.98,113.67) 53.31,114.33 42.6,114.33 41.63,115.29 P8.17
  BOTTOM w0.121: U22.18 64.16,103.97 63.56,104.56 61.84,104.56 61.7,104.7 61.7,105.51 61.21,105.99 58.53,105.99 56.72,107.8 56.51,107.8 56.5,107.79 55.14,107.79 54.27,106.92 52.77,106.92 52.42,106.57 50.83,106.57 50.76,106.65 50.75,106.65 49.98,107.42 49.97,107.42 49.74,107.66 49.74,107.66 46.92,110.49 44.67,110.49 44.5,110.31 v1(44.12,110.31)
GPIO1_12: length 51.6
  TOP w0.121: v1(44.72,99.94) U5.T12
  LYR3 w0.133: P8.12 32.83,116.87 32.83,112.11 34.57,110.36 40.18,110.36 43.12,107.42 43.12,106.31 43.28,106.15 43.28,105.97 43.89,105.36 43.89,102.09 43.92,102.06 43.92,101.27 44.72,100.47 v1(44.72,99.94)